# Altium PCB RevA2.PcbDoc (part 2 of 6)
Units mm, origin at the board's own origin, x right, y up, seen from the top; angles counter-clockwise.
Board outline 173 x 171 mm, 2 copper layers (Top Layer, Top, Bottom Layer, Bottom); 316 components, 437 nets, 1976 pads, 936 vias.
Unrouted connection lines stored in the file: 219.
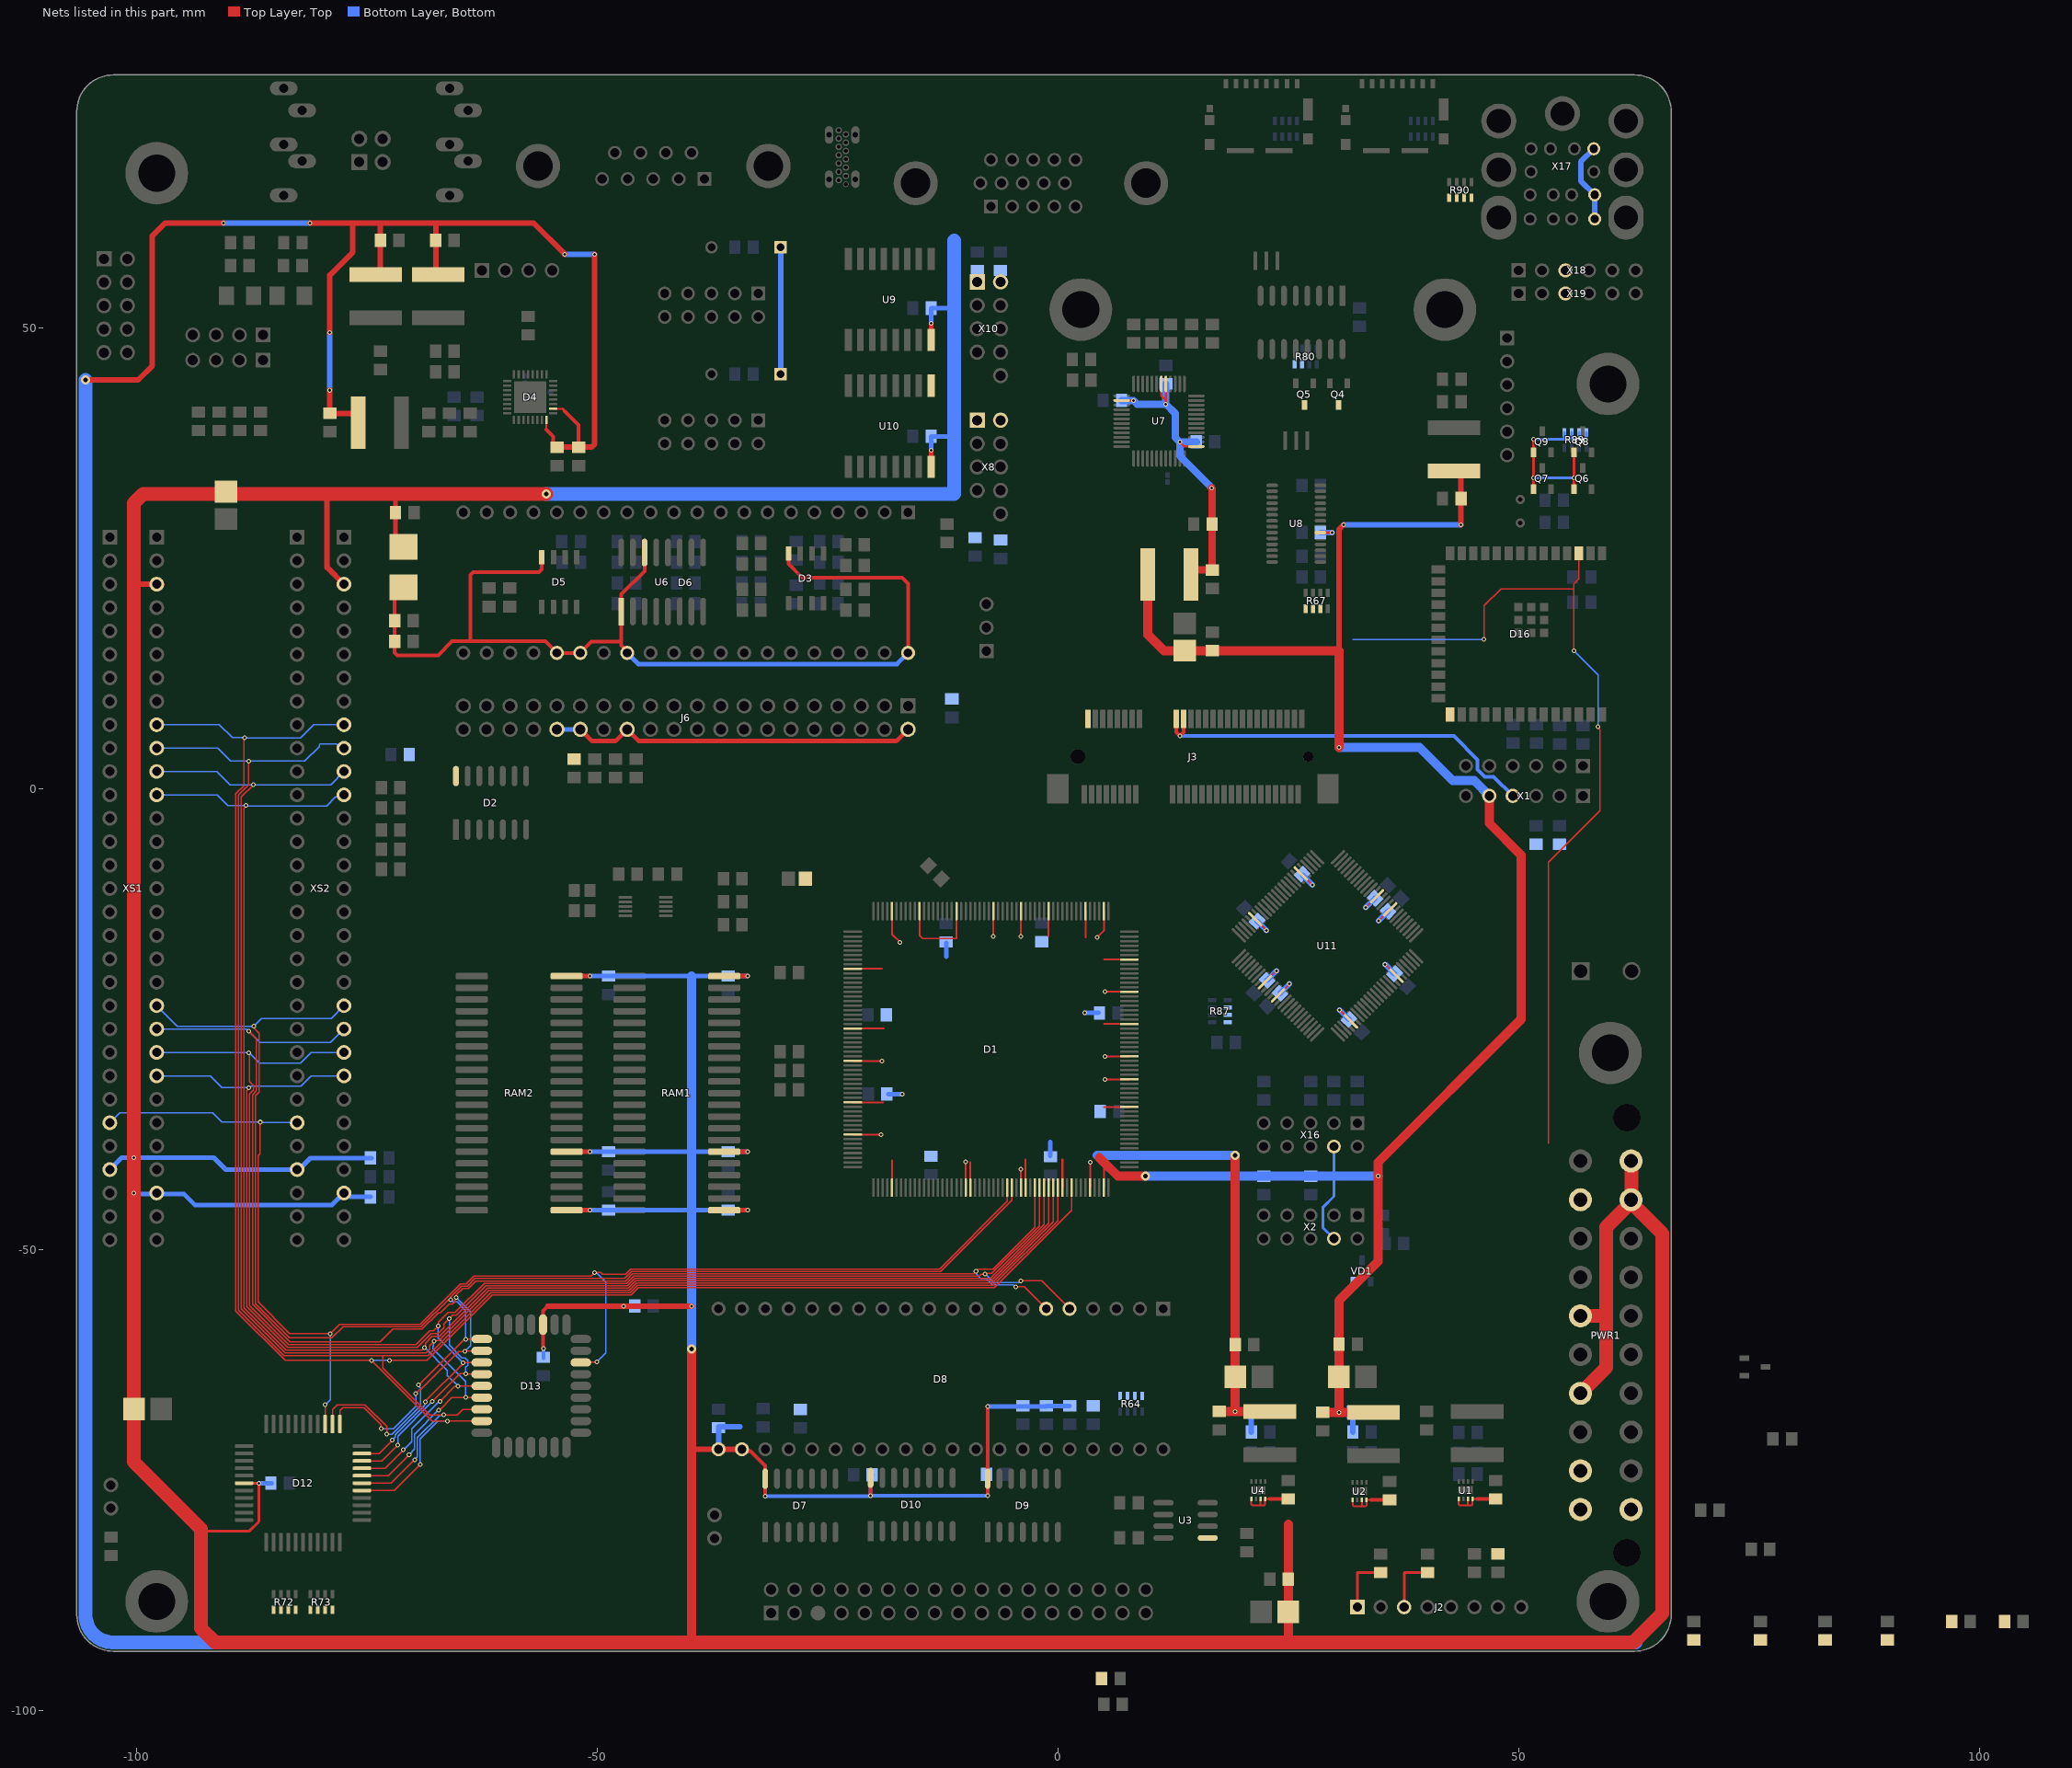
[diagram p2: the nets of this part, all layers, seen from the top]

## Footprints (in the part's own frame and the unit in brackets; to place one, negate y for a bottom-side part, rotate by r counter-clockwise, add the part's x,y. Pads: shape width x height; smd on the part's side, far side on the other; paste and mask are expansions set on the pad) (continued)
SOT-23 [mm] "SOT23, 3-Leads, Body 2.9x1.3 mm, Pitch 0.95 mm, IPC Medium Density"
  rect 1.05x0.6 smd: 1(-1.15,0.95) 2(-1.15,-0.95) 3(1.15,0)
  silkscreen extent -1.27,-1.5 0.7,1.93, body extent -1.2,-1.46 1.2,1.46, height 1.2
ST-48_N [mm] "Thin QFP, 48-Leads, Body 7x7mm, Pitch 0.5mm, IPC Medium Density"
  oval 1.8x0.3 smd: 1(-4.05,2.75) 2(-4.05,2.25) 3(-4.05,1.75) 4(-4.05,1.25) 5(-4.05,0.75) 6(-4.05,0.25) 7(-4.05,-0.25) 8(-4.05,-0.75) 9(-4.05,-1.25) 10(-4.05,-1.75) 11(-4.05,-2.25) 12(-4.05,-2.75) 25(4.05,-2.75) 26(4.05,-2.25) 27(4.05,-1.75) 28(4.05,-1.25) 29(4.05,-0.75) 30(4.05,-0.25) 31(4.05,0.25) 32(4.05,0.75) 33(4.05,1.25) 34(4.05,1.75) 35(4.05,2.25) 36(4.05,2.75)
  oval 0.3x1.8 smd: 13(-2.75,-4.05) 14(-2.25,-4.05) 15(-1.75,-4.05) 16(-1.25,-4.05) 17(-0.75,-4.05) 18(-0.25,-4.05) 19(0.25,-4.05) 20(0.75,-4.05) 21(1.25,-4.05) 22(1.75,-4.05) 23(2.25,-4.05) 24(2.75,-4.05) 37(2.75,4.05) 38(2.25,4.05) 39(1.75,4.05) 40(1.25,4.05) 41(0.75,4.05) 42(0.25,4.05) 43(-0.25,4.05) 44(-0.75,4.05) 45(-1.25,4.05) 46(-1.75,4.05) 47(-2.25,4.05) 48(-2.75,4.05)
  silkscreen extent -4.17,-2.75 2.75,3.57, body extent -4.51,-4.51 4.51,4.51, height 1.1
STM-DO-35-2 [mm] "THD, 2-Leads, Dia 1.765 mm, Body Length 3.775 mm"
  rect 1.35x1.35 hole 0.85: 1(-3.2,0)
  round 1.35 hole 0.85: 2(4.3,0)
  silkscreen extent -1.38,-0.88 2.4,0.88, body extent -3.52,-1 4.62,1.02, height 2.21
TQFP100_M [mm] "Thin QFP, 100-Leads, Body 14x14mm, Pitch 0.5mm, IPC Low Density"
  oval 2.1x0.3 smd: 1(-7.6,6) 2(-7.6,5.5) 3(-7.6,5) 4(-7.6,4.5) 5(-7.6,4) 6(-7.6,3.5) 7(-7.6,3) 8(-7.6,2.5) 9(-7.6,2) 10(-7.6,1.5) 11(-7.6,1) 12(-7.6,0.5) 13(-7.6,0) 14(-7.6,-0.5) 15(-7.6,-1) 16(-7.6,-1.5) 17(-7.6,-2) 18(-7.6,-2.5) 19(-7.6,-3) 20(-7.6,-3.5) 21(-7.6,-4) 22(-7.6,-4.5) 23(-7.6,-5) 24(-7.6,-5.5) 25(-7.6,-6) 51(7.6,-6) 52(7.6,-5.5) 53(7.6,-5) 54(7.6,-4.5) 55(7.6,-4) 56(7.6,-3.5) 57(7.6,-3) 58(7.6,-2.5) 59(7.6,-2) 60(7.6,-1.5) 61(7.6,-1) 62(7.6,-0.5) 63(7.6,0) 64(7.6,0.5) 65(7.6,1) 66(7.6,1.5) 67(7.6,2) 68(7.6,2.5) 69(7.6,3) 70(7.6,3.5) 71(7.6,4) 72(7.6,4.5) 73(7.6,5) 74(7.6,5.5) 75(7.6,6)
  oval 0.3x2.1 smd: 26(-6,-7.6) 27(-5.5,-7.6) 28(-5,-7.6) 29(-4.5,-7.6) 30(-4,-7.6) 31(-3.5,-7.6) 32(-3,-7.6) 33(-2.5,-7.6) 34(-2,-7.6) 35(-1.5,-7.6) 36(-1,-7.6) 37(-0.5,-7.6) 38(0,-7.6) 39(0.5,-7.6) 40(1,-7.6) 41(1.5,-7.6) 42(2,-7.6) 43(2.5,-7.6) 44(3,-7.6) 45(3.5,-7.6) 46(4,-7.6) 47(4.5,-7.6) 48(5,-7.6) 49(5.5,-7.6) 50(6,-7.6) 76(6,7.6) 77(5.5,7.6) 78(5,7.6) 79(4.5,7.6) 80(4,7.6) 81(3.5,7.6) 82(3,7.6) 83(2.5,7.6) 84(2,7.6) 85(1.5,7.6) 86(1,7.6) 87(0.5,7.6) 88(0,7.6) 89(-0.5,7.6) 90(-1,7.6) 91(-1.5,7.6) 92(-2,7.6) 93(-2.5,7.6) 94(-3,7.6) 95(-3.5,7.6) 96(-4,7.6) 97(-4.5,7.6) 98(-5,7.6) 99(-5.5,7.6) 100(-6,7.6)
  silkscreen extent -9.4,-6.15 6.15,6.15, body extent -8.01,-8.01 8.01,8.01, height 1.1
TSOP64P600X160-28L [mm] "TSOP, 28-Leads, Body 9,90x3,90mm, Pitch 0,64mm, IPC High Density"
  oval 1.25x0.4 smd: 1(-2.625,4.16) 2(-2.625,3.52) 3(-2.625,2.88) 4(-2.625,2.24) 5(-2.625,1.6) 6(-2.625,0.96) 7(-2.625,0.32) 8(-2.625,-0.32) 9(-2.625,-0.96) 10(-2.625,-1.6) 11(-2.625,-2.24) 12(-2.625,-2.88) 13(-2.625,-3.52) 14(-2.625,-4.16) 15(2.625,-4.16) 16(2.625,-3.52) 17(2.625,-2.88) 18(2.625,-2.24) 19(2.625,-1.6) 20(2.625,-0.96) 21(2.625,-0.32) 22(2.625,0.32) 23(2.625,0.96) 24(2.625,1.6) 25(2.625,2.24) 26(2.625,2.88) 27(2.625,3.52) 28(2.625,4.16)
  silkscreen extent -2.75,-5 1.6,5.03, body extent -3,-4.95 3,4.95, height 1.65
"USB2_MINI_DIN_6 (USB Only)" [mm] "USB 2.0 Type A Horizontal Dual + Mini DIN 6 Stacked"
  round 1.42 hole 0.92: 1(1.3,-0.51) 2(-1.3,-0.51) 3(3.4,-0.51) 4(-3.4,-0.51) 5(3.4,1.99) 6(-3.4,1.99) 7(-3.5,7.11) 8(-1,7.11) 9(1,7.11) 10(3.5,7.11) 11(-3.5,4.49) 12(-1,4.49) 13(1,4.49) 14(3.5,4.49)
  oval 3.8x4.8 hole 2.6 slot 3.6 at 90 deg: Shell(-6.9,6.97) Shell(6.9,6.97)
  round 3.8 hole 2.6: Shell(-6.9,-3.51) Shell(-6.9,1.78) Shell(0,-4.31) Shell(6.9,-3.51) Shell(6.9,1.78)
  silkscreen extent -8.13,-9.27 8.13,8.5, body extent -7.88,-8.91 7.88,8.64, height 15.9
"USB HDR 9 pin" [mm] "Pin Header, pitch 2.54 mm, THT, Vertical, dual row, 10p"
  rect 1.65x1.65 hole 1.1: 1(-5.08,-1.27)
  round 1.65 hole 1.1: 2(-5.08,1.27) 3(-2.54,-1.27) 4(-2.54,1.27) 5(0,-1.27) 6(0,1.27) 7(2.54,-1.27) 8(2.54,1.27) 10(5.08,1.27)
  silkscreen extent -6.5,-2.62 6.5,2.62, body extent -6.35,-2.54 6.35,2.54, height 8.54

## Part data
C1 C3 C14 C28 C89 C90: "Standard Tantalum, 22 uF, +/- 10%, 16 V, -55 to 125 degC, 2-Pin SMD (1210), RoHS, Tape and Reel", Capacitance="22 uF", Case/Package=1210, Manufacturer="Kyocera AVX", Manufacturer Part Number=TAJB226K016RNJ, Category=Cap, Number of Pins=2, Termination=SMD/SMT
C2 C4 C5 C6 C7 C8 C9 C10 C11 C12 C13 C29 C31 C33 C37 C39 C42 C44 C47 C48 C54 C57 C60 C65 C66 C67 C68 C69 C70 C71 C72 C73 C74 C75 C76 C77 C78 C81 C86 C91 C92 C93 C94 C95 C96 C97 C99 C100 C105 C108 C109 C110 C111 C112 C113 C114 C115 C116 C118 C119 C120: library part CC0805, "CL21 Series 0805 1.5pF 50V ±0.25pF Tolerance C0G Multilayer Ceramic Chip Capacitor", Capacitance="100 nF", Case/Package=0805, Manufacturer=Samsung, Manufacturer Part Number=CL21C1R5CBANNNC, Category=Cap
C15 C18 C25: library part CC0805, "CL21 Series 0805 1.5pF 50V ±0.25pF Tolerance C0G Multilayer Ceramic Chip Capacitor", Capacitance="22 pF", Case/Package=0805, Manufacturer=Samsung, Manufacturer Part Number=CL21C1R5CBANNNC, Category=Cap
C16 C17 C19 C20 C23 C24 C26 C27 C34 C38 C43 C46 C52 C53 C58 C59 C82 C83 C84 C85 C87 C88 C104 C117: library part CC0805, "CL21 Series 0805 1.5pF 50V ±0.25pF Tolerance C0G Multilayer Ceramic Chip Capacitor", Capacitance="10 uF", Case/Package=0805, Manufacturer=Samsung, Manufacturer Part Number=CL21C1R5CBANNNC, Category=Cap
C21 C22 C30 C45 C49 C50 C51 C55 C56 C61 C62 C63 C64 C98 C101 C106 C107: library part CC0805, "CL21 Series 0805 1.5pF 50V ±0.25pF Tolerance C0G Multilayer Ceramic Chip Capacitor", Capacitance="1 uF", Case/Package=0805, Manufacturer=Samsung, Manufacturer Part Number=CL21C1R5CBANNNC, Category=Cap
C35 C36: library part CMP-1662-00011-2, "Chip Capacitor, 100 uF, +/- 20%, 6.3 V, -55 to 85 degC, 1206 (3216 Metric), RoHS, Tape and Reel", Capacitance="100 uF", Case/Package=1206, Manufacturer=Murata, Manufacturer Part Number=GRM31CR60J107ME39L, Category=Cap, PackageDescription="2-Pin Surface Mount Device, Body 3.2 x 1.6 mm", PartNumber=GRM31CR60J107ME39L
C40 C41: library part CC0805, "CL21 Series 0805 1.5pF 50V ±0.25pF Tolerance C0G Multilayer Ceramic Chip Capacitor", Capacitance="220 pF", Case/Package=0805, Manufacturer=Samsung, Manufacturer Part Number=CL21C1R5CBANNNC, Category=Cap
C102 C103: library part CC0805, "CL21 Series 0805 1.5pF 50V ±0.25pF Tolerance C0G Multilayer Ceramic Chip Capacitor", Capacitance="1.5 pF", Case/Package=0805, Manufacturer=Samsung, Manufacturer Part Number=CL21C1R5CBANNNC, Category=Cap
CD1 CD2: "9 (8 + 1) Position Card Connector microSDâ„¢ Surface Mount, Right Angle Gold", Package=None, Availability=Warning, MF=Molex, Mouser-Purchase-URL=https://snapeda.com/shop?store=Mouser&id=481895, MP=105162-0001, Price=None, SnapEDA_Link=https://www.snapeda.com/parts/105162-0001/Molex/view-part/481895/?ref=snap
D1: Case/Package=PQFP-208, Category=IC
D2 D7 D9: Case/Package=SOIC-14, Category=IC
D3 D5: "IC OPAMP GP 2 CIRCUIT 8SOIC", Case/Package=SOIC, Manufacturer="Texas Instruments", Category=IC, Manufacturer Part Number=LM358DR, Number of Pins=8
D4: "Stereo CODEC with 1W Stereo Class-D speaker Drivers", Case/Package=QNF-32, Category=IC
D6 D8: Case/Package=DIP-40, Category=IC
D10: Case/Package=SOIC-16, Category=IC
D11: "USB Interface Integrated Circuit", Case/Package=SOIC-16, Category=IC
D12: Case/Package=QFP-44, Category=IC
D13: "4 Mbit Multi-Purpose Flash, 4.5 to 5.5 V, 1 kHz, 0 to 70 degC, 32-pin PLCC (NH32), Tube", Case/Package=PLCC-32, Manufacturer=Microchip, Category=IC, Manufacturer Part Number=SST39SF040-70-4C-NHE, PackageDescription="32-lead Plastic Lead Chip Carrier, 11.43 x 13.97 mm Body, 1.27 mm Pitch", PartNumber=SST39SF040-70-4C-NHE
D14 D15: "Small Signal Schottky Diode, 150 mA, 100 V, -65 to 125 degC, 2-Pin DO-35, RoHS, Tape and Reel", Manufacturer=STMicroelectronics, Category=Diode, Manufacturer Part Number=BAT46
D16: "2.4 GHz Wi­Fi (802.11 b/g/n) and Bluetooth® 5 (LE) module / Built around ESP32­S3 series of SoCs, Xtensa® dual­core 32­bit LX7 microprocessor / Flash up to 16 MB, PSRAM up to 8 MB / 36 GPIOs, rich set of peripherals / Onboard PCB antenna or external antenna connector", Case/Package=ESP32-S3, Category=IC
D17: "I2C-Programmable Any-Frequency CMOS Clock Generator + VCXO, 2.5 / 3.3 V, 0.008 to 160 MHz Output, -40 to 85 degC, 10-pin SOP", Case/Package=MSOP-10, Manufacturer="Silicon Labs", Manufacturer Part Number=SI5351A-B-GT, Category=IC, PackageDescription="10-Pin Mini Small Outline Package, Body 3 x 3 mm, Pitch 0.5 mm", PartNumber=Si5351A-B-GT
FB1: "Chip Ferrite Bead, 0805, 600Ω @ 100MHz, 0.2Ω, 25%, 700mA", Case/Package=0805, Manufacturer=Murata, Category=Inductor, Manufacturer Part Number=BLM21AG601SN1J, Number of Pins=2, Termination=Flat
J1: library part CMP-2000-05244-1, "Female Header, Pitch 4.2 mm, 1 x 2 Position, Height 12.8 mm, Tail Length 3.5 mm, -40 to 105 degC, RoHS", Colour=Clear, Current Rating=13A, Flammability Rating=UL94V-2, Manufacturer=Molex, Voltage Rating V AC=600V, Working Voltage=250V, Connector Body Material=–, Connector Insert Type=Header, Connector Mounting=PCB, Connector Mounting Orientation=PCB, Connector Type=RectangularPower, Contact Gender=–, Contact Material=Brass, Contact Plating=Tin, Contact Termination=Solder, Datasheet URL=https://datasheet.ciiva.com/11746/0900766b80460d9e-11746456.pdf, Datasheet Version="Rev. F, 05/2004", Gender=Header, Lead Spacing=4.2mm, Manufacturer URL=http://www.molex.com/, Mounting Orientation=Straight, Mounting Type=PCBoard, MSL=–, No. of Contacts=4, No. of Poles=2, No. of Rows=1, No. of Ways=2, Pitch Spacing=4.2mm, Series=Mini-FitJr, SVHC=–, Termination Method=Solder
J2: library part CMP-02766-000001-1, "CONN HEADER VERT 8POS 2.54MM", Manufacturer=Samtec, Temperature="-55°C to +125°C", Temperature Range High=+125°C, Temperature Range Low=-55°C, Automotive=No, Category=Conn, ComponentLink2Description=Datasheet, ComponentLink2URL=http://suddendocs.samtec.com/catalog_english/tsw_th.pdf, Conn Gender=Male, Conn Orientation=Straight, Contact Material=Gold,Nickel, Device Class L1=Connectors, Device Class L2="Headers and Wire Housings", Device Class L3=unset, Digikey Description="CONN HEADER VERT 8POS 2.54MM", Footprint Url=http://suddendocs.samtec.com/prints/tsw-xxx-xx-x-x-xx-xxx-footprint.pdf, Height=8.71mm, Lead Free=Yes, Manufacturer Part Number=TSW-108-08-G-S, Mouser Description="TSW - Samtec 2.54mm Pin Header 13.46mm Overall Pin Length 5.08mm Tail", Number Of Contacts=8, Number of Rows=1, Octopart=https://octopart.com/tsw-108-08-g-s-samtec-272653, Package=TSW-108-08-G-S, Pitch=2.54mm, RoHS=TRUE
J3: library part CMP-03365-000006-1, "CONN PCI EXP MINI FEMALE 52POS", Flammability Rating="UL94 V-0", High Temperature Housing=Yes, Housing Color=Black, Manufacturer="TE Connectivity AMP", Max Operating Temperature=85°C, Min Operating Temperature=-55°C, Package Quantity=450, Connector Type=Receptacle, Contact Material="Copper Alloy", Contact Plating=Gold, ELV=Compliant, Housing Material=Thermoplastic, Lead Free="Lead Free", Manufacturer Part Number=2041262-1, Mount="Surface Mount", Number Of Contacts=52, Number of Pins=52, Number of Positions=52, Number of Rows=2, Orientation="Right Angle", Packaging="Tape and Reel", PCB Mount Retention=Without, PCB Mounting Orientation=Horizontal, Pitch=0.8mm, RoHS Compliant=Yes, Row Spacing=0.031inch, Stack Height=0.268inch, Stackable=No, Termination=Solder
J4 J5: "3.5 mm Right-Angle Stereo Jack, 5 pin PCB PCB Mount, Isolated Ground, Pink", Package=None, Availability=Unavailable, MF="{'manufacturer': u'CUI'}", MP=SJ1-3535NG-PI, Price=None
J6: library part CMP-1502-01135-1, "THT Vertical Pin Header WR-PHD, Pitch 2.54 mm, Dual Row, 40 pins", Contact Resistance=20mOhm, Manufacturer="Wurth Elektronik", Operating Temperature=-40to105degC, Rated Current=3A, Withstanding Voltage=500VAC, Working Voltage=250VAC, Datasheet URL=https://katalog.we-online.de/em/datasheet/6130xx21121.pdf, Gender=Male, Manufacturer URL=http://www.we-online.de, Mounting Technology=THT, Orientation=Vertical, Package Reference=61304021121, Packaging=Bag, Part Number=61304021121, Pin Number=40, Pitch=2.54mm, Publisher=WurthElektronik, Row Number=Dual
J7 J9: "HLT->~IP", Case/Package=PLS-2, Category=Connector
J8: "No Description Available", Mfr_Name="Molex Connector Corporation", Copyright="Copyright (C) 2022 Ultra Librarian. All rights reserved.", Manufacturer_Part_Number=2169890001, RefDes=RefDes, Type=DEV
L1 L2 L3: library part CMP-14484-000415-1, "SMD Power Inductors 2.2uH ±30% 3.7A 26mΩ", Case/Package=2424, Current Rating=3.7A, DC Resistance (DCR)=26mR, Inductance=2.2uH, Inductance Tolerance=30%, Max Operating Temperature=120°C, Min Operating Temperature=-25°C, Package Quantity=2000, Resistor Type=Wirewound, Saturation Current=4.2A, Self Resonant Frequency=68MHz, Test Frequency=100kHz, Core Material=Ferrite, Depth=6.2mm, Halogen Free="Halogen Free", Height=2.8mm, Height - Seated (Max)=0.11inch, Length=0.236inch, Max DC Current=3.7A, Mount="Surface Mount", Number of Pins=2, Packaging="Tape and Reel", Radiation Hardening=No, RMS Current (Irms)=3.7A, RoHS Compliant=Yes, Series=NR, Shielding=Shielded, Termination=SMD/SMT, Tolerance=30%, Width=0.236inch
L4 L5 L6 L7 L9: library part CMP-14484-001222-1, "SMD Power Inductors 47uH ±20% 0.92A 0.39Ω", Case/Package=2424, Current Rating=920mA, DC Resistance (DCR)=390mR, Inductance=47uH, Inductance Tolerance=20%, Max Operating Temperature=120°C, Min Operating Temperature=-25°C, Package Quantity=2000, Resistor Type=Wirewound, Saturation Current=950mA, Self Resonant Frequency=8MHz, Test Frequency=100kHz, Core Material=Ferrite, Halogen Free="Halogen Free", Height=2.8mm, Height - Seated (Max)=0.11inch, Length=0.236inch, Max DC Current=920mA, Mount="Surface Mount", Number of Pins=2, Packaging="Tape and Reel", RMS Current (Irms)=920mA, RoHS Compliant=Yes, Series=NR, Shielding=Shielded, Termination=SMD/SMT, Tolerance=20%, Width=0.236inch
L8: library part CMP-06042-007646-1, "Wire Wound Ferrite Inductor for Power Lines 22μH ±10% 0.6Ω 420mA 1812", Case Code (Imperial)=1812, Case Code (Metric)=4532, Current Rating=420mA, DC Resistance (DCR)=600mR, Frequency=15MHz, Inductance=22uH, Inductance Tolerance=10%, Manufacturer=Murata, Max Operating Temperature=85°C, Min Operating Temperature=-40°C, Package Quantity=500, Resistor Type=Wirewound, Test Frequency=1MHz, Case/Package=1812, Core Material=Ferrite, DC Current=420mA, Depth=3.4mm, Height=2.6mm, Height - Seated (Max)=0.11inch, Lead Free="Lead Free", Length=4.5mm, Manufacturer Part Number=LQH43CN220K03L, Max DC Current=420mA, Military Standard=Not, Mount="Surface Mount", Number of Pins=2, Packaging="Tape and Reel", Radiation Hardening=No, REACH SVHC="No SVHC", Self Resonant Frequency=15MHz, Shielding=Unshielded, Termination=SMD/SMT, Tolerance=10%, Weight=0.004586oz, Width=3.2mm
P1 X4 X5: "THT Vertical Pin Header WR-PHD, Pitch 2.54 mm, Single Row, 4 pins", Manufacturer="Wurth Electronics", Manufacturer Part Number=61300411121, Case/Package=PLS-4, Category=Connector, Pitch=2.54mm
P2: library part CMP-1502-01084-1, "THT Vertical Pin Header WR-PHD, Pitch 2.54 mm, Dual Row, 10 pins", Contact Resistance=20mOhm, Manufacturer="Wurth Elektronik", Operating Temperature=-40to105degC, Rated Current=3A, Withstanding Voltage=500VAC, Working Voltage=250VAC, Datasheet URL=https://katalog.we-online.de/em/datasheet/6130xx21121.pdf, Gender=Male, Manufacturer URL=http://www.we-online.de, Mounting Technology=THT, Orientation=Vertical, Package Reference=61301021121, Packaging=Bag, Part Number=61301021121, Pin Number=10, Pitch=2.54mm, Publisher=WurthElektronik, Row Number=Dual
PWR1: Case/Package="Mini-Fit 20 PIN 5.2", Analogs=MF-20MA;N42GP-20, Category=Connector
Q1 Q2: "Ceramic Resonator, 12 MHz, +/- 0.5%, -40 to 125 degC, 3-Pin SMD, RoHS, Tape and Reel", Capacitance=33pF, Manufacturer=Murata, Manufacturer Part Number=CSTCE12M0G55Z-R0, Category=CrystalsandOscillators
Q3: "Low Frequency Cylindrical Watch Crystal, 32.768 kHz, -20 to 70 degC, 2-Pin 5 x 1.4 x 1.5 mm THD, RoHS, Bulk", Manufacturer=Abracon, Manufacturer Part Number=AB15T-32.768KHZ, Category=CrystalsandOscillators, PackageDescription="2-Pin THD, Body 5 x 1.4 mm, Pin Spacing 0.45 mm", PartNumber=AB15T-32.768KHZ
Q4 Q5: "NPN Silicon AF Transistor, 45 V VCEO, 500 mA IC, SOT23, Reel, Green", Case/Package=SOT-23, Manufacturer=Infineon, Category=Transistor, Manufacturer Part Number=BC817K-25, PackageDescription="3-Pin Small Outline Transistor Package, 1.3 x 2.9 mm Body, 0.95 mm Pitch", PartNumber=BC817K-25
Q6 Q7 Q8 Q9: "MOSFET N-CH 50V 220MA SOT-23", Case/Package=SOT-23, Manufacturer="ON Semiconductor / Fairchild", Category=Transistor, Manufacturer Part Number=BSS138, Number of Pins=3, Termination=SMD/SMT
Q10: "CRYSTAL 25.0000MHZ 10PF SMD", Case/Package=SMD/SMT, Manufacturer=Abracon, Manufacturer Part Number=ABM8G-25.000MHZ-B4Y-T, Category=CrystalsandOscillators, Number of Pins=4, Termination=SMD/SMT
R1 R3 R6: library part CR0805, "51Ω ±0.5% 0.1W 1/10W Chip Resistor 0805 (2012 Metric) Thin Film", Case/Package=0805, Manufacturer=Susumu, Manufacturer Part Number=RR1220Q-510-D, Resistance="150 k", Category=Res, Number of Pins=2, Number of Terminations=2, Termination=SMD/SMT
R2 R4: library part CR0805, "51Ω ±0.5% 0.1W 1/10W Chip Resistor 0805 (2012 Metric) Thin Film", Case/Package=0805, Manufacturer=Susumu, Manufacturer Part Number=RR1220Q-510-D, Resistance="680 k", Category=Res, Number of Pins=2, Number of Terminations=2, Termination=SMD/SMT
R5 R35 R37 R38 R39 R40 R41 R42 R43 R44 R45 R46 R47 R48: library part CR0805, "51Ω ±0.5% 0.1W 1/10W Chip Resistor 0805 (2012 Metric) Thin Film", Case/Package=0805, Manufacturer=Susumu, Manufacturer Part Number=RR1220Q-510-D, Resistance="15 k", Category=Res, Number of Pins=2, Number of Terminations=2, Termination=SMD/SMT
R7: library part CR0805, "51Ω ±0.5% 0.1W 1/10W Chip Resistor 0805 (2012 Metric) Thin Film", Case/Package=0805, Manufacturer=Susumu, Manufacturer Part Number=RR1220Q-510-D, Resistance="470 k", Category=Res, Number of Pins=2, Number of Terminations=2, Termination=SMD/SMT
R8 R13 R18 R26 R28 R31 R50 R60 R61 R62 R63 R65 R66 R74: library part CR0805, "51Ω ±0.5% 0.1W 1/10W Chip Resistor 0805 (2012 Metric) Thin Film", Case/Package=0805, Manufacturer=Susumu, Manufacturer Part Number=RR1220Q-510-D, Resistance="1 k", Category=Res, Number of Pins=2, Number of Terminations=2, Termination=SMD/SMT
R9 R10 R11 R12 R14 R15 R16: library part CR0805, "51Ω ±0.5% 0.1W 1/10W Chip Resistor 0805 (2012 Metric) Thin Film", Case/Package=0805, Manufacturer=Susumu, Manufacturer Part Number=RR1220Q-510-D, Resistance=51, Category=Res, Number of Pins=2, Number of Terminations=2, Termination=SMD/SMT
R17 R22 R69 R70 R71 R84 R85 R86 R88: library part CR0805, "51Ω ±0.5% 0.1W 1/10W Chip Resistor 0805 (2012 Metric) Thin Film", Case/Package=0805, Manufacturer=Susumu, Manufacturer Part Number=RR1220Q-510-D, Resistance=680, Category=Res, Number of Pins=2, Number of Terminations=2, Termination=SMD/SMT
R19 R20 R23 R98 R99 R100 R101 R102 R103: library part CR0805, "51Ω ±0.5% 0.1W 1/10W Chip Resistor 0805 (2012 Metric) Thin Film", Case/Package=0805, Manufacturer=Susumu, Manufacturer Part Number=RR1220Q-510-D, Resistance="4.7 k", Category=Res, Number of Pins=2, Number of Terminations=2, Termination=SMD/SMT
R21 R27 R33 R34 R76: library part CR0805, "51Ω ±0.5% 0.1W 1/10W Chip Resistor 0805 (2012 Metric) Thin Film", Case/Package=0805, Manufacturer=Susumu, Manufacturer Part Number=RR1220Q-510-D, Resistance="10 k", Category=Res, Number of Pins=2, Number of Terminations=2, Termination=SMD/SMT
R24 R36 R49 R82 R83: library part CR0805, "51Ω ±0.5% 0.1W 1/10W Chip Resistor 0805 (2012 Metric) Thin Film", Case/Package=0805, Manufacturer=Susumu, Manufacturer Part Number=RR1220Q-510-D, Resistance="3.3 k", Category=Res, Number of Pins=2, Number of Terminations=2, Termination=SMD/SMT
R25 R32: library part CR0805, "51Ω ±0.5% 0.1W 1/10W Chip Resistor 0805 (2012 Metric) Thin Film", Case/Package=0805, Manufacturer=Susumu, Manufacturer Part Number=RR1220Q-510-D, Resistance="33 k", Category=Res, Number of Pins=2, Number of Terminations=2, Termination=SMD/SMT
R29: library part CR0805, "51Ω ±0.5% 0.1W 1/10W Chip Resistor 0805 (2012 Metric) Thin Film", Case/Package=0805, Manufacturer=Susumu, Manufacturer Part Number=RR1220Q-510-D, Resistance="47 k", Category=Res, Number of Pins=2, Number of Terminations=2, Termination=SMD/SMT
R30: library part CR0805, "51Ω ±0.5% 0.1W 1/10W Chip Resistor 0805 (2012 Metric) Thin Film", Case/Package=0805, Manufacturer=Susumu, Manufacturer Part Number=RR1220Q-510-D, Resistance="1 m", Category=Res, Number of Pins=2, Number of Terminations=2, Termination=SMD/SMT
R51 R52 R53 R75 R78 R79 R81 R93 R94 R95 R96 R97: library part CR0805, "51Ω ±0.5% 0.1W 1/10W Chip Resistor 0805 (2012 Metric) Thin Film", Case/Package=0805, Manufacturer=Susumu, Manufacturer Part Number=RR1220Q-510-D, Resistance=0, Category=Res, Number of Pins=2, Number of Terminations=2, Termination=SMD/SMT
R54 R55 R56: library part CR0805, "51Ω ±0.5% 0.1W 1/10W Chip Resistor 0805 (2012 Metric) Thin Film", Case/Package=0805, Manufacturer=Susumu, Manufacturer Part Number=RR1220Q-510-D, Resistance=75, Category=Res, Number of Pins=2, Number of Terminations=2, Termination=SMD/SMT
R57 R58: library part CR0805, "51Ω ±0.5% 0.1W 1/10W Chip Resistor 0805 (2012 Metric) Thin Film", Case/Package=0805, Manufacturer=Susumu, Manufacturer Part Number=RR1220Q-510-D, Resistance=150, Category=Res, Number of Pins=2, Number of Terminations=2, Termination=SMD/SMT
R59: library part CR0805, "51Ω ±0.5% 0.1W 1/10W Chip Resistor 0805 (2012 Metric) Thin Film", Case/Package=0805, Manufacturer=Susumu, Manufacturer Part Number=RR1220Q-510-D, Resistance=530, Category=Res, Number of Pins=2, Number of Terminations=2, Termination=SMD/SMT
R64 R67 R72 R73 R80 R87 R89 R90 R91 R92: library part CMP-1747-00005-1, "Chip Resistor Array, 10 KOhm, +/- 5%, 62.5 mW, -55 to 125 degC, 8-Pin SMD, RoHS, Tape and Reel", Case Code (Imperial)=0603, Case Code (Metric)=1608, Max Operating Temperature="155 degC", Min Operating Temperature="-55 degC", Power Rating="100 mW", Resistance="10 k", Tolerance=1%, Voltage Rating="75 V", Case\Package=0603, ComponentLink1Description="Manufacturer URL", ComponentLink1URL=http://www.bourns.com/, ComponentLink2Description=Datasheet, ComponentLink2URL=http://www.bourns.com/docs/Product-Datasheets/CATCAY.pdf, DatasheetVersion=Jan-15, Height="0.022 inch", Length="0.063 inch", Mount="Surface Mount", PackageDescription="8-Pin Surface Mount Device, Body 1.6 x 3.2 mm, Pitch 0.8 mm", PackageReference=CAY16-J4, Packaging="Tape and Reel", Pins=2, Radiation Hardening=No, REACH SVHC=Yes, RoHSCompliant=true, Weight="7.1E-05 oz", Width="0.031 inch"
R68: library part CR0805, "51Ω ±0.5% 0.1W 1/10W Chip Resistor 0805 (2012 Metric) Thin Film", Case/Package=0805, Manufacturer=Susumu, Manufacturer Part Number=RR1220Q-510-D, Resistance="2.7 K", Category=Res, Number of Pins=2, Number of Terminations=2, Termination=SMD/SMT
R77: library part CR0805, "51Ω ±0.5% 0.1W 1/10W Chip Resistor 0805 (2012 Metric) Thin Film", Case/Package=0805, Manufacturer=Susumu, Manufacturer Part Number=RR1220Q-510-D, Resistance=1k, Category=Res, Number of Pins=2, Number of Terminations=2, Termination=SMD/SMT
RAM1 RAM2: Case/Package=SOJ-42, Category=IC
U1 U2 U4: library part CMP-0323-00325-3, "Buck Step Down Regulator with 2.7 to 6 V Input and 1.8 V Output, -40 to 85 degC, 8-Pin WSON (DSG), Green (RoHS & no Sb/Br)", Manufacturer="Texas Instruments", Rating=Catalog, Switch Current Limit(Typ)(A)=2.25, Code_JEDEC=MO-229, ComponentLink1Description=Datasheet, ComponentLink1URL=http://www.ti.com/general/docs/lit/getliterature.tsp?genericPartNumber=TPS62061&fileType=pdf, ComponentLink2Description="Package Specification", ComponentLink2URL=http://www.ti.com/litv/pdf/mpds308a, ComponentLink3Description="URL Link1", ComponentLink3URL="Samples URL:http://www.ti.com/product/tps62061#samples", DatasheetVersion=SLVSA95A, Duty Cycle(Max)(%)=100, Eco-Plan="Green (RoHS & no Sb/Br)", Iout(Max)(A)=1.6, Iq(Typ)(mA)=0.018, Mounting Technology="Surface Mount", PackageDescription="8-Pin Plastic Small Outline No-Lead, 2 x 2 x 0.8 mm Body, 0.5 mm Pitch, Exposed Pad", PackageReference=DSG0008A, PackageVersion="revB, Oct-2010", PartNumber=TPS62061DSGR, Preset Vout(V)=1.8, Regulated Outputs(#)=1, SubFamily="Step-Down Regulator", Synchronous Rectification=TRUE, Topology=Buck, Vin(Max)(V)=6, Vin(Min)(V)=2.7, Vout(Max)(V)=1.8, Vout(Min)(V)=1.8
U3: library part CMP-0475-00531-1, "60 mA Flash Memory Programming Supply, 4.75 to 5.5 V Vin, 12 V Vout, 8-pin SOIC (S8-8), 0 to 70 degC, Pb-Free", Frequency(kHz)=300, Manufacturer="Linear Technology", ComponentLink1Description="Manufacturer URL", ComponentLink1URL=http://www.linear.com/, ComponentLink2Description=Datasheet, ComponentLink2URL=http://cds.linear.com/docs/en/datasheet/1263f.pdf, ComponentLink3Description="Package Specification", ComponentLink3URL=http://cds.linear.com/docs/en/packaging/05081610_G_SO8.pdf, Ishutdown(uA)=0.5, Isupply(mA)=0.3, Max Iout(mA)=60, Mounting Technology="Surface Mount", PackageDescription="8-Pin Plastic Small Outline (Narrow .150 Inch), Body 4.9 x 3.9 mm, Pitch 1.27 mm", PackageReference=S8-8, PackageVersion="Rev. G, 03/2012", PartNumber=LTC1263CS8#PBF, RoHS=TRUE, Vin Max(V)=5.5, Vin Min(V)=4.75, Voutput=12V
U6: "8-Bit, 0.1 us MDAC, Parallel Input, Fast Control Signalling for DSP, Easy Micro Interface, 0 to 70 degC, 16-pin SOIC (D16), Green (RoHS & no Sb/Br)", Case/Package=SOIC-16, Manufacturer="Texas Instruments", Category=IC, Manufacturer Part Number=TLC7524CD, PackageDescription="16-Pin Plastic Small Outline, Body 9.9 x 3.9 mm, Pitch 1.27 mm", PartNumber=TLC7524CD
U7: "3 Channel 8-Bit CMOS High Speed Video Digital-to-Analog Converter, -40 to +85 degC, ST-48, Pb-Free, Tray", Case/Package=TQFP-48, Manufacturer="Analog Devices", Category=IC, Manufacturer Part Number=ADV7125KSTZ140, PackageDescription="48-Pin Thin Quad Flat Pack 0.5 mm Pitch", PartNumber=ADV7125KSTZ140
U8: "USB 2.0 HIGH SPEED 4-PORT HUB CONTROLLER", Case/Package=SSOP-28, Manufacturer="Terminus Technology Inc", Category=IC
U9 U10: "IC I/O EXPANDER I2C 8B 16SOIC", Case/Package=SOT162-1, Manufacturer="NXP Semiconductors", Category=IC, Manufacturer Part Number=PCF8574T/3,518
U11: "MAX II 3.3/2.5V CPLD, 80 IOs, 240 Logic Elements, 100-Pin Plastic TQFP, Commercial Temperature, Speed Grade 5", Case/Package=TQFP-100, Manufacturer="Intel Altera", Category=IC, Manufacturer Part Number=EPM240T100C5, PackageDescription="100-Pin Plastic Thin Quad Flat Pack (TQFP100) - Wire Bond"